# KiCad board 0xaxe.kicad_pcb (continued)
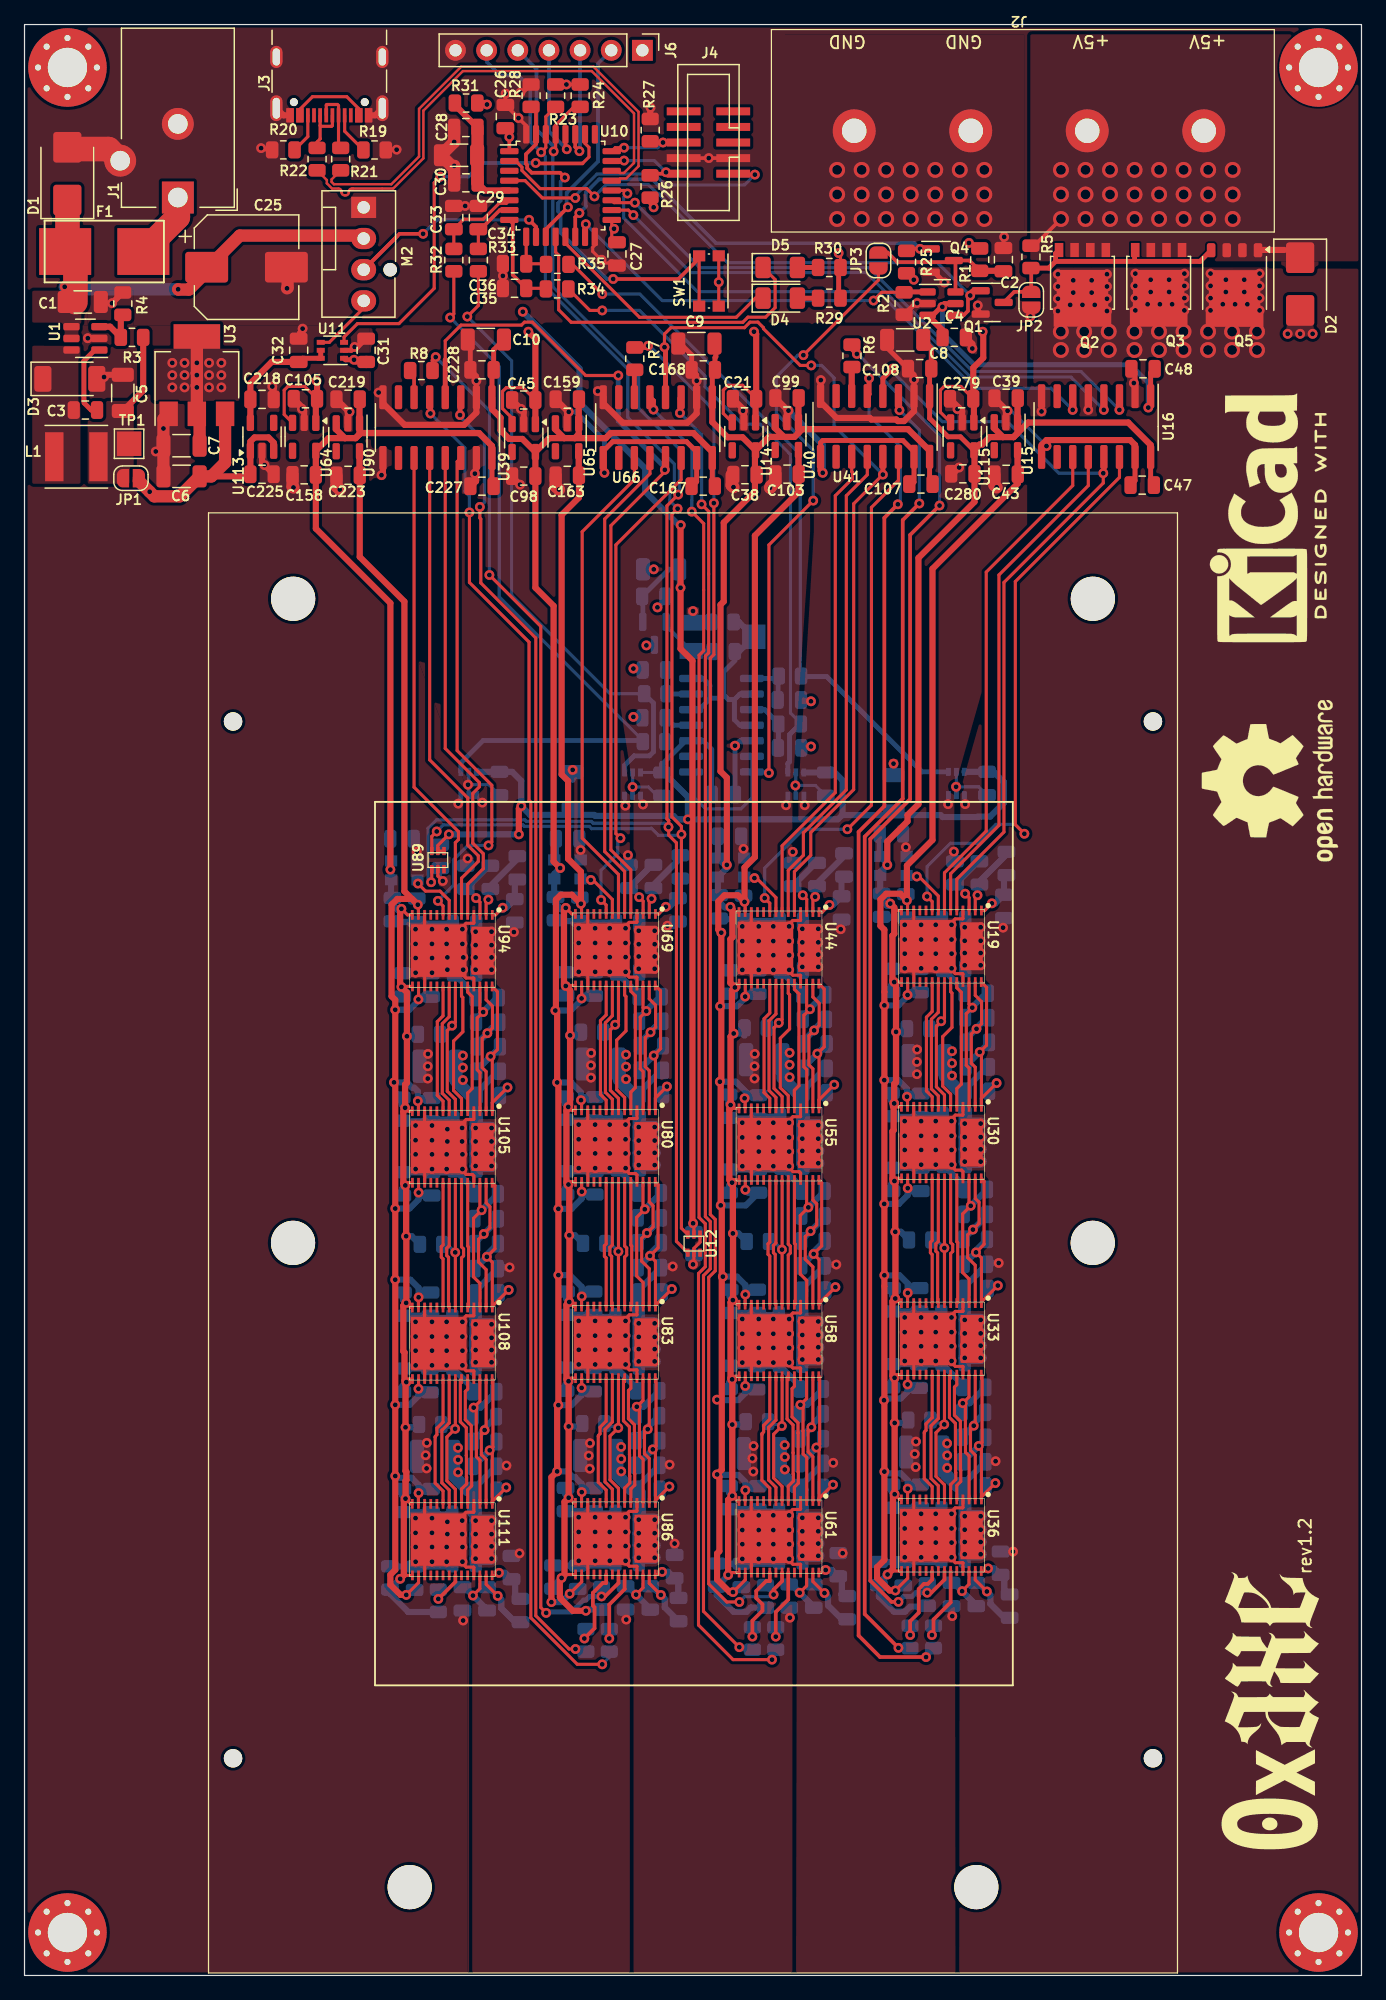
[diagram p0: board, top side]
## Routing (per net, layer and track width the routed paths; a pad name or vN(x,y) marks a point on that pad's centre or on a via; arc(x,y) is an arc through that point) (continued)
/stm32/LED2: length 19.9
  Top w0.254: U10.13 44.1,141.18 50.14,135.14 58.03,135.14 59.59,136.7 D4.1
  Top w0.4: 60.06,136.7 60.13,136.63
/stm32/NRST: length 24
  Top w0.254: v1(59.55,146.77) 57.85,146.77 J4.1 ; U10.4 40.81,146.28 42.22,144.86 v1(44.9,144.86)
  Bottom w0.254: v1(44.9,144.86) 44.9,145.05 46.67,146.82 51.34,146.82 52.23,145.93 58.71,145.93 v1(59.55,146.77)
/stm32/PWM_3V3: length 33.5
  Top w0.254: 45.49,147.68 46.02,148.21 46.02,148.99 45.7,149.3 U10.26 ; v1(33.9,146.6) 33.4,146.1 33.4,137.5 30.53,134.62 27.14,134.62 26.05,133.53 U11.3
  Top w0.3: 45.49,147.68 41.72,147.68 v1(41.68,147.72)
  Bottom w0.254: v1(33.9,146.6) 36.19,146.6
  Bottom w0.3: v1(41.68,147.72) 37.31,147.72 36.19,146.6
/stm32/PWM_3V3_EXT: length 17.5
  Top w0.3: v1(44.3,144.11) 42.5,142.31 U10.11
  Bottom w0.3: J6.2 46.76,155.82 46.76,147.84 44.2,145.28 44.2,144.21 v1(44.3,144.11)
/stm32/SCL: length 135.7
  Top w0.254: U89.1 33.2,89.15 v1(33.15,89.1) ; v1(53.29,120.69) 52.38,119.78 52.38,94.26 52.52,94.12 ; 52.52,94.12 52.52,92.94 53.15,92.31 53.15,59.83 U12.1 ; 52.52,94.12 52.5,94.1 v1(52.5,93.6) ; v1(43.14,148.66) 43.3,148.82 U10.29 43.3,150.8 44.79,152.29 R24.2
  Bottom w0.254: v1(33.15,89.1) 32.9,89.35 32.9,93.49 33.59,94.18 40.79,94.18 40.92,94.06 46.22,94.06 46.37,93.91 52.19,93.91 v1(52.5,93.6) ; v1(53.29,120.69) 53.39,120.79 53.39,124.41 50.07,127.72 50.07,130.63 43.07,137.63 43.07,148.59 v1(43.14,148.66)
  Bottom w0.3: J6.5 41.74,155.38 41.74,150.46 43.14,149.06 v1(43.14,148.66)
/stm32/SDA: length 131.4
  Top w0.254: v1(42.12,148.59) 42.5,148.97 U10.30 42.5,151.49 R23.2 ; v1(53.24,119.54) 52.78,119.08 52.78,94.43 53.56,93.65 v1(53.56,93) 53.56,60.9 U12.6 ; v1(33.61,93.24) 33.2,92.83 U89.6
  Bottom w0.254: v1(53.56,93) 53.48,92.92 51.68,92.92 51.1,93.5 51.06,93.46 46.24,93.46 46.05,93.65 40.75,93.65 40.62,93.78 34.15,93.78 v1(33.61,93.24) ; v1(53.24,119.54) 52.61,120.18 52.61,121.12 52.98,121.49 52.98,123.18 49.19,126.97 49.19,130.91 42.46,137.64 42.46,148.25 v1(42.12,148.59)
  Bottom w0.3: J6.6 37.71,156.86 37.71,155.93 38.79,154.85 40.26,154.85 41.23,153.88 41.23,149.48 v1(42.12,148.59)
/stm32/SPARE1: length 9.8
  Top w0.3: v1(45.24,148.68) 44.9,149.02 U10.27
  Bottom w0.3: v1(45.24,148.68) 45.3,148.73 J6.3
/stm32/SPARE2: length 9.9
  Top w0.3: U10.28 44.1,148.95 v1(44.21,148.84)
  Bottom w0.3: J6.4 42.75,150.29 v1(44.21,148.84)
/stm32/SWCLK: length 7.2
  Top w0.254: v1(48.88,148.96) 48.16,148.96 U10.24
  Top w0.3: J4.6 51.11,149.38 R27.2
  Bottom w0.254: v1(52.05,149.38) 51.63,148.96 v1(48.88,148.96)
/stm32/SWDIO: length 7.6
  Top w0.254: U10.23 48.84,147.88 v1(48.88,147.91)
  Top w0.3: R26.1 51.13,146.84 J4.2
  Bottom w0.254: v1(48.88,147.91) 51.35,147.91 v1(52.3,146.96)
/stm32/TACHO: length 20.9
  Top w0.254: 32.34,142.09 v1(32.5,141.94)
  Top w0.3: v1(32.5,141.94) 30.57,141.94 M2.3 30.38,141.75 ; U10.10 41.7,142.52 v1(41.13,143.09)
  Bottom w0.254: v1(41.13,143.09) 33.64,143.09 v1(32.5,141.94)
/stm32/USB_D+: length 41.2
  Top w0.2: U10.22 48.38,147.08 48.55,146.9 48.87,146.9 49.69,147.72 49.69,151.76 46.24,155.21 35.74,155.21 32.52,151.98 32.52,148.1 30.05,145.63 26.68,145.63 arc(26.51,145.56) 26.44,145.39 26.44,145.32 arc(26.37,145.15) 26.2,145.08 26.08,145.08 arc(25.91,145.15) 25.84,145.32 25.84,145.39 arc(25.77,145.56) 25.6,145.63 25.07,145.63 24.65,146.06 24.65,146.32 R22.1
/stm32/USB_D-: length 41.2
  Top w0.2: R21.1 25.04,146.38 25.04,146.17 25.23,145.98 29.9,145.98 32.16,148.24 32.16,152.13 35.59,155.56 46.39,155.56 50.06,151.89 50.06,147.47 50.07,147.46 49.06,146.45 48.55,146.45 48.38,146.28 U10.21
/stm32/X: length 6.7
  Top w0.254: J3.A4 27.25,152.14 26.27,153.12 23.48,153.12 22.45,152.09 J3.A9
Net-(D4-A): length 1.7
  Top w0.4: 64.55,136.7 62.86,136.7
Net-(D5-A): length 1.7
  Top w0.4: 64.55,139.2 62.86,139.2
Net-(F1-Pad2): length 5.6
  Top w2: J1.1 12.5,143.31 F1.2
Net-(J3-CC1): length 3.5
  Top w0.254: R19.2 26.1,150.31 J3.A5
Net-(J3-CC2): length 3.3
  Top w0.254: J3.B5 23.1,151.6 23.1,149.87 R20.2
Net-(J3-D+-PadA6): length 4.7
  Top w0.254: J3.A6 25.1,150.77 25.03,150.71 24.17,150.71 24.1,150.77 ; 24.1,150.77 24.1,149.7 24.11,149.69 23.85,149.43 R22.2 ; 24.1,150.77 J3.B6
Net-(J3-D--PadA7): length 5.4
  Top w0.254: R21.2 25.6,149.12 J3.B7 25.6,152.39 25.51,152.48 24.65,152.48 24.6,152.43 J3.A7
Net-(JP1-A): length 6.7
  Top w0.5: R3.1 9.67,129.17 C5.1
Net-(JP2-B): length 22.2
  Top w0.3: R5.1 82.08,139.13 JP2.2 80.69,137.21 Q1.3
  Top w0.4: 84.06,139.7 84.06,140.34 Q2.4 ; 84.06,139.7 83.51,139.15 R5.1 ; 84.06,139.7 90.5,139.7 ; 90.5,139.7 90.5,140.57 Q3.4 90.55,140.26 ; 90.5,139.7 95.83,139.7 Q5.4
Net-(JP3-A): length 61.3
  Top w0.254: v1(63.5,132.05) 69.62,138.18 JP3.1 ; v1(60.69,98) 60.69,116.59 v1(64.3,120.2)
  Bottom w0.254: v1(63.5,132.05) 63.05,132.05 61.3,130.3 61.3,127.3 64.3,124.3 v1(64.3,120.2) ; 59.3,98.09 59.3,99.36 ; 59.3,98.09 60.6,98.09 v1(60.69,98) ; 59.3,98.09 59.3,95.97 58.41,95.08 55.53,95.08 54.65,95.97 54.65,97.79 U9.1 U9.2
Net-(M2-PWM): length 5.2
  Top w0.254: U11.4 24.85,133.1 27.65,135.9 M2.4
Net-(Q4-G): length 36.1
  Top w0.3: Q4.1 v1(73.01,140.72) 72.07,140.72 R25.1 ; v1(45.24,143.64) 44.9,143.3 U10.14
  Bottom w0.3: v1(73.01,140.72) 72.54,141.18 56.37,141.18 51.16,146.39 46.85,146.39 45.76,145.31 45.76,144.16 v1(45.24,143.64)
Net-(U1-BS): length 6.4
  Top w0.4: U1.1 5.73,132.47 4.84,131.58 4.84,128.33 4.87,128.31 4.87,128.15 5.43,127.58 C3.1
Net-(U1-FB): length 4
  Top w0.5: R4.1 7.85,135.18 R3.2 6.98,134.38 U1.3
Net-(U9A-+): length 20
  Bottom w0.4: 57.87,103.99 57.87,102.35 58.32,101.9 59.3,101.9 ; 57.87,103.99 58.32,104.44 59.3,104.44 ; 57.87,103.99 57.38,103.99 57.01,104.36 ; 55.87,104.1 55.87,105.16 55.32,105.71 U9.7 ; 55.87,104.1 55.87,104.05 54.99,103.17 U9.5 ; 55.87,104.1 56.75,104.1 57.01,104.36 ; 57.01,104.36 57.01,106.26 57.91,107.16 R60.2
  Bottom w0.5: R61.1 58.25,110.3 RV1.2 58.25,107.9 R60.2
Net-(U9A--): length 4.3
  Bottom w0.4: U9.4 52.9,101.9 52.24,102.55 52.24,100.65
Net-(U9B--): length 3.9
  Bottom w0.4: 52.34,106.36 R17.2 52.36,104.44 U9.6
Net-(U9C--): length 4.5
  Bottom w0.4: 61.46,100.14 61.46,102.05 60.34,103.17 59.3,103.17
Net-(U9D--): length 4.1
  Bottom w0.4: 59.3,105.71 61.27,105.71 61.42,105.86 61.44,105.83 61.44,103.95
Net-(U10-BOOT0): length 31.4
  Top w0.254: 55,139.95 55,135.85
  Top w0.3: 55,139.95 53.31,138.26 v1(47.99,138.26) ; R28.2 41.7,151.89 U10.31 41.7,149.25 40.88,148.43 40.88,147.66 40.98,147.55 40.98,147.28 41.35,146.92 43.66,146.92 v1(44.05,146.53)
  Bottom w0.3: v1(44.05,146.53) 43.71,146.19 43.71,144.65 43.5,144.44 43.5,143.78 43.71,143.57 43.71,142.03 47.48,138.26 v1(47.99,138.26)
Net-(U10-PA0): length 7.1
  Top w0.254: R32.1 C33.1 35.82,143.14 37.4,143.14 38.69,144.43 39.28,144.43 U10.6
Net-(U10-PA1): length 4.8
  Top w0.254: C34.1 R33.1
  Top w0.3: U10.7 38.75,143.88 37.19,142.32 C34.1
Net-(U10-PA2): length 7.8
  Top w0.254: C35.1 42.46,137.5 R34.1
  Top w0.3: U10.8 39.8,142.8 39.8,138.6 C35.1
Net-(U10-PA3): length 3.8
  Top w0.254: R35.1 42.47,139.5 C36.1 U10.9
Net-(U19-BO): length 10.8
  Top w0.254: U30.6 75.5,71.84 74.86,72.48 74.86,76.51 75.61,77.27 75.61,80.07 75.5,80.18 U19.23
Net-(U19-CLKO): length 10.6
  Top w0.254: U30.8 74.5,71.69 73.94,72.25 73.94,77.93 74.5,78.5 U19.21
Net-(U19-CO): length 10.6
  Top w0.254: U19.20 74,78.57 73.53,78.1 73.53,72.09 74,71.62 U30.9
Net-(U19-NRSTO): length 10.5
  Top w0.254: 76.01,80.96 76.01,80.5 76.38,80.13 76.38,72.64 76.01,72.27 76.01,70.8
Net-(U19-RI): length 12.2
  Top w0.254: U19.22 75,78.04 v1(74.73,77.77) 74.34,77.38 74.34,72.42 75,71.76 U30.7
  Bottom w0.254: 73.76,76.73 74.73,77.7 v1(74.73,77.77)
Net-(U19-VDD1_0): length 4.1
  Top w0.254: U19.1 78.28,86.8 v1(78.87,87.38)
  Bottom w0.508: v1(78.87,87.38) 79.15,87.38 C46.1 79.85,89.48 C44.2
Net-(U19-VDD1_1): length 16.9
  Top w0.254: U19.28 78.43,80.53 78.43,75.82 v1(77.88,75.26) 78.02,75.12 U30.1 78.02,71.49 v1(79.25,72.73)
  Bottom w0.254: 78.51,72.07 79.17,72.73 v1(79.25,72.73)
  Bottom w0.508: 76.6,74.05 76.67,74.05 v1(77.88,75.26) 78.5,75.88 78.5,76.05
Net-(U19-VDD2_0): length 4.9
  Top w0.254: v1(77.7,88.04) 77.51,87.85 U19.2
  Bottom w0.508: C44.1 80.05,91.35 77.85,89.15 C42.2
Net-(U19-VDD2_1): length 13.6
  Top w0.254: U30.2 77.51,74.02 77.19,74.35 77.19,76.73 v1(77.61,77.15) 78.03,77.57 78.03,79.36 77.51,79.88 U19.27
  Bottom w0.508: 78.45,78.05 77.61,77.22 v1(77.61,77.15) 76.6,76.14 76.6,76.05
Net-(U19-VDD3_0): length 4.3
  Top w0.254: v1(76.69,88.17) 77.01,87.84 U19.3
  Bottom w0.508: C42.1 77.75,90.8 C41.2
Net-(U19-VDD3_1): length 16.1
  Top w0.254: U19.26 77,79.15 v1(77.27,78.88) 76.78,78.39 76.78,74.18 77.01,73.95 U30.3
  Bottom w0.254: 76.55,78.05 76.55,78.2 78.4,80.05
  Bottom w0.508: 78.4,80.05 77.27,78.92 v1(77.27,78.88) 76.55,78.16 76.55,78.05
Net-(U30-BO): length 10.3
  Top w0.254: U33.6 75.5,58.84 75.67,59.01 75.67,59.57 75.5,59.74 U30.23
Net-(U30-CLKO): length 10.3
  Top w0.254: U30.21 74.5,59.83 74.3,59.62 74.3,59.03 74.45,58.89 74.45,54.85 U33.8
Net-(U30-CO): length 10.3
  Top w0.254: U33.9 74,58.76 73.86,58.9 73.86,59.75 74,59.9 U30.20
Net-(U30-NRSTO): length 10.2
  Top w0.254: 76.01,54.8 76.08,54.87 76.08,59.73 76.01,59.8 76.01,64.96
Net-(U30-RI): length 11.5
  Top w0.254: U33.7 U30.22
  Bottom w0.254: R39.1 74.34,59.95 v1(74.99,59.29)
Net-(U30-VDD1_1): length 19.3
  Top w0.254: v1(79.35,56.23) 78.02,54.89 U33.1 78.02,58.49 v1(77.57,58.93) 78.23,59.59 78.23,64.74 U30.28
  Bottom w0.254: v1(79.35,56.23) 78.78,56.23 C88.1 ; C77.2 76.57,58.1 78.47,60
  Bottom w0.508: C77.2 76.61,57.97 v1(77.57,58.93) 77.57,59.1 78.47,60
Net-(U30-VDD2_1): length 16.6
  Top w0.254: U33.2 77.51,57.88 76.89,58.5 76.89,60.36 v1(77.32,60.79) 77.82,61.29 77.82,63.02 77.51,63.33 U30.27
  Bottom w0.254: 78.47,62.03 78.47,61.9 C81.2
  Bottom w0.508: 78.47,62.03 78.47,61.94 v1(77.32,60.79) 76.57,60.04 C81.2
Net-(U30-VDD3_1): length 17.2
  Top w0.254: U30.26 77,62.87 v1(77.14,62.73) 76.49,62.07 76.49,57.29 77.01,56.76 U33.3
  Bottom w0.254: C84.2 76.57,62.16 ; 76.57,62.16 78.47,64.06 ; 76.57,62.16 77.13,62.73 v1(77.14,62.73)
  Bottom w0.508: C84.2 76.57,62.15 v1(77.14,62.73) 78.47,64.05 78.47,64.06
Net-(U33-BO): length 10.6
  Top w0.254: U36.6 75.5,40 75.92,40.42 75.92,40.99 75.9,41.01 75.9,42.73 75.9,42.73 75.9,45 75.41,45.48 75.41,48.87 U33.23
Net-(U33-CLKO): length 10.7
  Top w0.254: U33.21 74.5,45.39 73.9,44.79 73.9,40.51 74.5,39.91 U36.8
Net-(U33-CO): length 10.7
  Top w0.254: U36.9 74,39.84 73.35,40.48 73.35,44.21 73.37,44.22 73.37,44.3 73.5,44.43 73.5,44.96 74,45.46 U33.20
Net-(U33-NRSTO): length 10.6
  Top w0.254: 76.01,48.96 76.01,48.15 75.82,47.96 75.82,45.65 76.3,45.17 76.3,44.36 76.31,44.35 76.31,41.18 76.33,41.15 76.33,40.25 76.01,39.93 76.01,38.8
Net-(U33-RI): length 12
  Top w0.254: 75,44.81 U33.22 ; U36.7 75,39.98 74.31,40.68 74.31,44.24 v1(74.98,44.91)
  Bottom w0.254: v1(74.98,44.91) 74.87,45.03 73.86,45.03
Net-(U33-VDD1_1): length 15.9
  Top w0.254: U33.28 78.07,48.9 78.07,43.42 v1(77.8,43.16) 78.02,42.94 U36.1 78.02,38.99 v1(79.15,40.13)
  Bottom w0.254: v1(79.15,40.13) 78.54,40.13 78.34,39.93
  Bottom w0.508: C90.1 78.34,43.7 v1(77.8,43.16) 76.5,41.86 C89.2
Net-(U33-VDD2_1): length 13.3
  Top w0.254: U33.27 77.51,44.93 v1(77.39,44.81) 77.12,44.54 77.12,42.8 77.51,42.41 U36.2
  Bottom w0.508: C91.1 77.39,44.97 v1(77.39,44.81) 77.38,44.81 C90.2
Net-(U33-VDD3_1): length 13.7
  Top w0.254: U36.3 77.01,42.34 76.72,42.63 76.72,44.52 76.71,44.52 76.71,46.42 v1(76.5,46.64) 77,47.14 U33.26
  Bottom w0.254: C91.2 76.42,46.56 v1(76.5,46.64)
  Bottom w0.508: C92.1 77.05,46.64 v1(76.5,46.64)
Net-(U36-VDD1_1): length 3.6
  Top w0.254: U36.28 78.35,32.96 v1(78.56,33.17)
  Bottom w0.508: v1(78.56,33.17) 79.06,33.17 C94.2 79.88,32.35 79.88,31.05
Net-(U36-VDD2_1): length 6
  Top w0.254: U36.27 77.51,32.24 v1(78.46,31.3)
  Bottom w0.254: v1(78.46,31.3) 78.3,31.3 C96.1
  Bottom w0.508: v1(78.46,31.3) 78.75,31.01 78.75,30.28 79.88,29.15
Net-(U36-VDD3_1): length 4.7
  Top w0.254: U36.26 77,31.88 v1(76.44,31.32)
  Bottom w0.508: C97.1 75.76,32 v1(76.44,31.32) 77.59,30.17 C96.2
Net-(U44-BI): length 10.8
  Top w0.254: U44.23 62.27,80.05 62.38,79.94 62.38,77.14 61.62,76.38 61.62,72.35 62.27,71.71 U55.6
Net-(U44-CI): length 10.6
  Top w0.254: U44.20 60.76,78.44 60.29,77.97 60.29,71.96 60.76,71.49 U55.9
Net-(U44-CLKI): length 10.6
  Top w0.254: U44.21 61.26,78.37 60.7,77.8 60.7,72.12 61.26,71.56 U55.8
Net-(U44-NRSTI): length 10.5
  Top w0.254: U55.5 62.77,72.14 63.14,72.51 63.14,80 62.77,80.37 U44.24
Net-(U44-RO): length 12.2
  Top w0.254: U55.7 61.76,71.63 61.11,72.29 61.11,77.25 v1(61.5,77.64) 61.76,77.91 U44.22
  Bottom w0.254: v1(61.5,77.64) 61.5,77.57 60.53,76.6
Net-(U44-VDD1_0): length 4.1
  Top w0.254: v1(65.63,87.25) 65.04,86.67 U44.1
  Bottom w0.508: C104.2 66.61,89.35 C106.1 65.91,87.25 v1(65.63,87.25)
Net-(U44-VDD1_1): length 16.9
  Top w0.254: U44.28 65.19,80.4 65.19,75.69 v1(64.64,75.13) 64.78,74.99 U55.1 64.78,71.36 v1(66.01,72.6)
  Bottom w0.254: 65.27,71.94 65.93,72.6 v1(66.01,72.6)
  Bottom w0.508: 65.26,75.93 65.26,75.76 v1(64.64,75.13) 63.43,73.93 63.36,73.93
Net-(U44-VDD2_0): length 4.9
  Top w0.254: v1(64.46,87.91) 64.27,87.73 U44.2
  Bottom w0.508: C104.1 66.81,91.22 64.61,89.02 C102.2
Net-(U44-VDD2_1): length 13.6
  Top w0.254: U44.27 64.27,79.75 64.79,79.23 64.79,77.44 v1(64.37,77.02) 63.95,76.6 63.95,74.22 64.27,73.89 U55.2
  Bottom w0.508: 63.36,75.93 63.36,76.01 v1(64.37,77.02) 64.37,77.09 65.21,77.93
Net-(U44-VDD3_0): length 4.3
  Top w0.254: v1(63.45,88.04) 63.77,87.71 U44.3
  Bottom w0.508: C102.1 64.51,90.68 C101.2
Net-(U44-VDD3_1): length 16.1
  Top w0.254: U44.26 63.76,79.02 v1(64.03,78.75) 63.54,78.26 63.54,74.05 63.77,73.82 U55.3
  Bottom w0.254: 65.16,79.93 63.31,78.08 63.31,77.93
  Bottom w0.508: 63.31,77.93 63.31,78.03 v1(64.03,78.75) 64.03,78.8 65.16,79.93
Net-(U55-BO): length 10.3
  Top w0.254: U58.6 62.27,58.71 62.43,58.88 62.43,59.44 62.27,59.61 U55.23
Net-(U55-CLKO): length 10.3
  Top w0.254: U58.8 61.21,54.72 61.21,58.76 61.06,58.9 61.06,59.49 61.26,59.7 U55.21
Net-(U55-CO): length 10.3
  Top w0.254: U58.9 60.76,58.63 60.62,58.77 60.62,59.63 60.76,59.77 U55.20
Net-(U55-NRSTO): length 10.2
  Top w0.254: U55.24 62.77,59.67 62.84,59.6 62.84,54.74 U58.5
Net-(U55-RI): length 11.5
  Top w0.254: U58.7 U55.22
  Bottom w0.254: v1(61.75,59.16) 61.1,59.82 R45.1
Net-(U55-VDD1_1): length 19.3
  Top w0.254: U55.28 64.99,64.61 64.99,59.46 v1(64.33,58.8) 64.78,58.36 U58.1 64.78,54.76 v1(66.11,56.1)
  Bottom w0.254: C137.2 63.33,57.97 C141.1 ; C148.1 65.54,56.1 v1(66.11,56.1)
  Bottom w0.508: C137.2 63.37,57.84 v1(64.33,58.8) 64.33,58.97 C141.1
Net-(U55-VDD2_1): length 16.6
  Top w0.254: U55.27 64.27,63.2 64.58,62.89 64.58,61.16 v1(64.08,60.66) 63.65,60.23 63.65,58.37 64.27,57.75 U58.2
  Bottom w0.254: C144.1 65.23,61.77 C141.2
  Bottom w0.508: C141.2 63.33,59.91 v1(64.08,60.66) 65.23,61.81 C144.1
Net-(U55-VDD3_1): length 17.2
  Top w0.254: U55.26 63.76,62.74 v1(63.9,62.6) 63.25,61.94 63.25,57.16 63.77,56.63 U58.3
  Bottom w0.254: 63.33,62.03 C147.1 ; 63.33,62.03 C144.2 ; 63.33,62.03 63.89,62.6 v1(63.9,62.6)
  Bottom w0.508: C147.1 65.23,63.92 v1(63.9,62.6) 63.33,62.02 C144.2
Net-(U58-BO): length 10.6
  Top w0.254: U58.23 62.17,48.74 62.17,45.35 62.66,44.87 62.66,42.6 62.66,42.6 62.66,40.88 62.68,40.86 62.68,40.29 62.27,39.88 U61.6
Net-(U58-CLKO): length 10.7
  Top w0.254: U58.21 61.26,45.26 60.67,44.66 60.67,40.38 61.26,39.78 U61.8
Net-(U58-CO): length 10.7
  Top w0.254: U58.20 60.76,45.33 60.26,44.83 60.26,44.3 60.13,44.17 60.13,44.1 60.12,44.08 60.12,40.35 60.76,39.71 U61.9
Net-(U58-NRSTO): length 10.6
  Top w0.254: U61.5 62.77,39.8 63.09,40.13 63.09,41.03 63.07,41.05 63.07,44.22 63.06,44.23 63.06,45.04 62.58,45.52 62.58,47.83 62.77,48.02 U58.24
Net-(U58-RI): length 12
  Top w0.254: v1(61.75,44.78) 61.07,44.11 61.07,40.55 61.76,39.86 U61.7 ; 61.76,44.68 U58.22
  Bottom w0.254: v1(61.75,44.78) 61.63,44.9 60.63,44.9
Net-(U58-VDD1_1): length 15.9
  Top w0.254: U58.28 64.83,48.77 64.83,43.29 v1(64.56,43.03) 64.78,42.81 U61.1 64.78,38.86 v1(65.91,40)
  Bottom w0.254: 65.1,39.8 65.3,40 v1(65.91,40)
  Bottom w0.508: C150.1 65.1,43.57 v1(64.56,43.03) 63.27,41.73 C149.2
Net-(U58-VDD2_1): length 13.3
  Top w0.254: U58.27 64.27,44.8 v1(64.15,44.68) 63.88,44.41 63.88,42.67 64.27,42.28 U61.2
  Bottom w0.508: C151.1 64.15,44.84 v1(64.15,44.68) 64.14,44.68 C150.2
Net-(U58-VDD3_1): length 13.7
  Top w0.254: U61.3 63.77,42.21 63.48,42.5 63.48,44.39 63.47,44.39 63.47,46.29 v1(63.26,46.51) 63.76,47.01 U58.26
  Bottom w0.254: C151.2 63.18,46.43 v1(63.26,46.51)
  Bottom w0.508: C152.1 63.81,46.51 v1(63.26,46.51)
Net-(U61-VDD1_1): length 3.6
  Top w0.254: v1(65.32,33.05) 65.11,32.83 U61.28
  Bottom w0.508: v1(65.32,33.05) 65.82,33.05 C154.2 66.64,32.22 66.64,30.92
Net-(U61-VDD2_1): length 6
  Top w0.254: U61.27 64.27,32.11 v1(65.22,31.17)
  Bottom w0.254: v1(65.22,31.17) 65.06,31.17 C156.1
  Bottom w0.508: 66.64,29.02 65.51,30.15 65.51,30.88 v1(65.22,31.17)
Net-(U61-VDD3_1): length 4.7
  Top w0.254: U61.26 63.76,31.76 v1(63.2,31.19)
  Bottom w0.508: C156.2 64.35,30.04 v1(63.2,31.19) 62.52,31.87 C157.1
Net-(U69-BO): length 10.8
  Top w0.254: U69.23 48.93,79.89 49.04,79.78 49.04,76.99 48.28,76.23 48.28,72.2 48.93,71.55 U80.6
Net-(U69-CLKO): length 10.6
  Top w0.254: U69.21 47.92,78.21 47.36,77.65 47.36,71.97 47.92,71.41 U80.8
Net-(U69-CO): length 10.6
  Top w0.254: U80.9 47.42,71.33 46.95,71.8 46.95,77.82 47.42,78.28 U69.20
Net-(U69-NRSTO): length 10.5
  Top w0.254: U80.5 49.43,71.99 49.8,72.36 49.8,79.85 49.43,80.21 U69.24
Net-(U69-RI): length 12.2
  Top w0.254: 48.42,80.68 48.42,77.75 v1(48.16,77.48) 47.77,77.09 47.77,72.14 48.42,71.48 48.42,70.51
  Bottom w0.254: v1(48.16,77.48) 48.16,77.42 47.19,76.45
Net-(U69-VDD1_0): length 4.1
  Top w0.254: v1(52.29,87.1) 51.7,86.51 51.44,86.51
  Bottom w0.508: C164.2 53.27,89.2 C166.1 52.57,87.1 v1(52.29,87.1)
Net-(U69-VDD1_1): length 16.6
  Top w0.254: v1(52.37,72.45) 51.44,71.51 51.44,70.51 51.44,74.84 v1(51.3,74.98) 51.86,75.53 51.86,80.25 U69.28
  Bottom w0.254: v1(52.37,72.45) 52.37,72.22 51.93,71.79
  Bottom w0.508: 50.02,73.77 50.09,73.77 v1(51.3,74.98) 51.92,75.6 51.92,75.77
Net-(U69-VDD2_0): length 4.9
  Top w0.254: v1(51.12,87.76) 50.94,87.57 U69.2
  Bottom w0.508: C162.2 51.27,88.87 53.47,91.07 C164.1
Net-(U69-VDD2_1): length 13.6
  Top w0.254: U69.27 50.94,79.59 51.45,79.08 51.45,77.28 v1(51.04,76.87) 50.61,76.44 50.61,74.06 50.94,73.74 U80.2
  Bottom w0.508: 51.87,77.77 51.04,76.93 v1(51.04,76.87) 50.02,75.86 50.02,75.77
Net-(U69-VDD3_0): length 4.3
  Top w0.254: U69.3 50.43,87.56 v1(50.11,87.88)
  Bottom w0.508: C162.1 51.17,90.52 C161.2
Net-(U69-VDD3_1): length 16.1
  Top w0.254: U80.3 50.43,73.67 50.2,73.89 50.2,78.1 v1(50.69,78.59) 50.42,78.86 U69.26
  Bottom w0.254: 51.82,79.77 49.97,77.92 49.97,77.77
  Bottom w0.508: 49.97,77.77 49.97,77.87 v1(50.69,78.59) 50.69,78.64 51.82,79.77
Net-(U80-BO): length 10.3
  Top w0.254: U83.6 48.93,58.56 49.1,58.72 49.1,59.29 48.93,59.45 U80.23
Net-(U80-CLKO): length 10.3
  Top w0.254: U83.8 47.87,54.57 47.87,58.6 47.72,58.75 47.72,59.34 47.92,59.54 U80.21
Net-(U80-CO): length 10.3
  Top w0.254: U83.9 47.42,58.48 47.28,58.62 47.28,59.47 47.42,59.61 U80.20
Net-(U80-NRSTO): length 10.2
  Top w0.254: U80.24 49.43,59.52 49.5,59.45 49.5,54.58 U83.5
Net-(U80-RI): length 11.5
  Top w0.254: 48.42,54.51 48.42,64.68
  Bottom w0.254: v1(48.42,59) 47.76,59.66 R51.1
Net-(U80-VDD1_1): length 19.3
  Top w0.254: v1(52.77,55.95) 51.44,54.61 51.44,54.51 51.44,58.2 v1(50.99,58.65) 51.65,59.3 51.65,64.45 U80.28
  Bottom w0.254: C197.2 49.99,57.81 C201.1 ; 51.96,55.7 52.2,55.95 v1(52.77,55.95)
  Bottom w0.508: C201.1 50.99,58.82 v1(50.99,58.65) 50.03,57.68 C197.2
Net-(U80-VDD2_1): length 16.6
  Top w0.254: U80.27 50.94,63.04 51.24,62.73 51.24,61.01 v1(50.74,60.51) 50.31,60.08 50.31,58.22 50.94,57.6 U83.2
  Bottom w0.254: C201.2 51.89,61.61 C204.1
  Bottom w0.508: C204.1 51.89,61.65 v1(50.74,60.51) 49.99,59.75 C201.2
Net-(U80-VDD3_1): length 17.2
  Top w0.254: U80.26 50.42,62.58 v1(50.57,62.44) 49.91,61.79 49.91,57 50.43,56.48 U83.3
  Bottom w0.254: v1(50.57,62.44) 50.56,62.44 49.99,61.88 ; 49.99,61.88 C207.1 ; 49.99,61.88 C204.2
  Bottom w0.508: C207.1 51.89,63.77 v1(50.57,62.44) 49.99,61.87 C204.2
Net-(U83-BO): length 10.6
  Top w0.254: U83.23 48.83,48.58 48.83,45.2 49.32,44.71 49.32,42.45 49.32,42.44 49.32,40.72 49.35,40.7 49.35,40.14 48.93,39.72 U86.6
Net-(U83-CLKO): length 10.7
  Top w0.254: U83.21 47.92,45.11 47.33,44.51 47.33,40.23 47.92,39.63 U86.8
Net-(U83-CO): length 10.7
  Top w0.254: U86.9 47.42,39.56 46.78,40.2 46.78,43.93 46.79,43.94 46.79,44.01 46.92,44.14 46.92,44.68 47.42,45.18 U83.20
Net-(U83-NRSTO): length 10.6
  Top w0.254: U86.5 49.43,39.65 49.75,39.97 49.75,40.87 49.73,40.89 49.73,44.06 49.72,44.07 49.72,44.88 49.24,45.37 49.24,47.67 49.43,47.86 U83.24
Net-(U83-RI): length 12
  Top w0.254: v1(48.41,44.63) 47.73,43.95 47.73,40.39 48.42,39.7 48.42,38.51 ; 48.42,44.52 48.42,48.68
  Bottom w0.254: v1(48.41,44.63) 48.29,44.75 47.29,44.75
Net-(U83-VDD1_1): length 15.9
  Top w0.254: U83.28 51.49,48.62 51.49,43.14 v1(51.22,42.87) 51.44,42.66 51.44,38.51 51.44,38.71 v1(52.57,39.85)
  Bottom w0.254: v1(52.57,39.85) 51.96,39.85 51.76,39.65
  Bottom w0.508: C210.1 51.76,43.42 v1(51.22,42.87) 49.93,41.58 C209.2
Net-(U83-VDD2_1): length 13.3
  Top w0.254: U86.2 50.94,42.13 50.54,42.52 50.54,44.26 v1(50.81,44.52) 50.94,44.65 U83.27
  Bottom w0.508: C211.1 50.81,44.68 v1(50.81,44.52) 50.8,44.52 C210.2
Net-(U83-VDD3_1): length 13.7
  Top w0.254: U86.3 50.43,42.06 50.14,42.35 50.14,44.23 50.13,44.24 50.13,46.14 v1(49.92,46.35) 50.42,46.86 U83.26
  Bottom w0.254: C211.2 49.84,46.28 v1(49.92,46.35)
  Bottom w0.508: C212.1 50.47,46.35 v1(49.92,46.35)
Net-(U86-VDD1_1): length 3.6
  Top w0.254: v1(51.98,32.89) 51.77,32.68 U86.28
  Bottom w0.508: v1(51.98,32.89) 52.48,32.89 C214.2 53.3,32.07 53.3,30.77
Net-(U86-VDD2_1): length 6
  Top w0.254: v1(51.88,31.01) 50.94,31.96 U86.27
  Bottom w0.254: C216.1 51.72,31.01 v1(51.88,31.01)
  Bottom w0.5: C215.2 52.2,29.99 52.2,30.7 v1(51.88,31.01)
Net-(U86-VDD3_1): length 4.7
  Top w0.254: U86.26 50.42,31.6 v1(49.86,31.04)
  Bottom w0.508: C217.1 49.18,31.72 v1(49.86,31.04) 51.01,29.89 C216.2
Net-(U94-VDD1_0): length 4.1
  Top w0.254: U94.1 38.4,86.44 v1(38.99,87.02)
  Bottom w0.508: C224.2 39.97,89.12 C226.1 39.27,87.02 v1(38.99,87.02)
Net-(U94-VDD2_0): length 4.9
  Top w0.254: v1(37.82,87.68) 37.64,87.5 37.64,86.44
  Bottom w0.508: C222.2 37.97,88.79 40.17,90.99 C224.1
Net-(U94-VDD3_0): length 4.3
  Top w0.254: U94.3 37.13,87.48 v1(36.81,87.81)
  Bottom w0.508: C222.1 37.87,90.45 C221.2
Net-(U105-BI): length 10.8
  Top w0.254: U105.6 35.63,71.48 34.98,72.12 34.98,76.15 35.74,76.91 35.74,79.71 35.63,79.82 U94.23
Net-(U105-BO): length 10.3
  Top w0.254: U105.23 35.63,59.38 35.8,59.21 35.8,58.65 35.63,58.48 U108.6
Net-(U105-CI): length 10.6
  Top w0.254: U105.9 34.12,71.26 33.65,71.73 33.65,77.74 34.12,78.21 U94.20
Net-(U105-CLKI): length 10.6
  Top w0.254: U94.21 34.62,78.14 34.06,77.57 34.06,71.9 34.62,71.33 34.62,70.44
Net-(U105-CLKO): length 10.3
  Top w0.254: U105.21 34.62,59.47 34.42,59.26 34.42,58.68 34.57,58.53 34.57,54.49 34.62,54.44
Net-(U105-CO): length 10.3
  Top w0.254: U105.20 34.12,59.54 33.98,59.4 33.98,58.54 34.12,58.4 U108.9
Net-(U105-NRSTI): length 10.5
  Top w0.254: U94.24 36.13,80.14 36.5,79.77 36.5,72.28 36.13,71.92 U105.5
Net-(U105-NRSTO): length 10.2
  Top w0.254: U105.24 36.13,59.44 36.2,59.37 36.2,54.51 U108.5
Net-(U105-RI): length 11.5
  Top w0.254: U108.7 U105.22
  Bottom w0.254: v1(35.12,58.93) 34.46,59.59 R57.1
Net-(U105-RO): length 12.2
  Top w0.254: U94.22 35.12,77.68 v1(34.86,77.41) 34.47,77.02 34.47,72.06 35.12,71.4 U105.7
  Bottom w0.254: v1(34.86,77.41) 34.86,77.34 33.89,76.37
Net-(U105-VDD1_0): length 16.9
  Top w0.254: v1(39.37,72.37) 38.14,71.13 U105.1 38.14,74.76 v1(38,74.9) 38.56,75.46 38.56,80.17 U94.28
  Bottom w0.254: v1(39.37,72.37) 39.29,72.37 38.63,71.71
  Bottom w0.508: 38.62,75.7 38.62,75.53 v1(38,74.9) 36.79,73.7 36.72,73.7
Net-(U105-VDD1_1): length 19.3
  Top w0.254: v1(39.47,55.87) 38.14,54.53 U108.1 38.14,58.13 v1(37.69,58.57) 38.35,59.23 38.35,64.38 U105.28
  Bottom w0.254: C257.2 36.69,57.74 C261.1 ; v1(39.47,55.87) 38.9,55.87 C268.1
  Bottom w0.508: C257.2 36.73,57.61 v1(37.69,58.57) 37.69,58.74 C261.1
Net-(U105-VDD2_0): length 13.6
  Top w0.254: 37.64,80.61 37.64,79.52 38.15,79 38.15,77.21 v1(37.74,76.79) 37.31,76.37 37.31,73.99 37.64,73.66 37.64,70.44
  Bottom w0.508: 36.72,75.7 36.72,75.78 v1(37.74,76.79) 37.74,76.86 38.57,77.7
Net-(U105-VDD2_1): length 16.6
  Top w0.254: 37.64,54.44 37.64,57.52 37.01,58.14 37.01,60 v1(37.44,60.43) 37.94,60.93 37.94,62.66 37.64,62.97 37.64,64.61
  Bottom w0.254: C261.2 38.59,61.54 C264.1
  Bottom w0.508: C264.1 38.59,61.58 v1(37.44,60.43) 36.69,59.68 C261.2
Net-(U105-VDD3_0): length 16.1
  Top w0.254: U105.3 37.13,73.59 36.9,73.82 36.9,78.03 v1(37.39,78.52) 37.12,78.79 U94.26
  Bottom w0.254: 36.67,77.7 36.67,77.85 38.52,79.7
  Bottom w0.508: 36.67,77.7 36.67,77.8 v1(37.39,78.52) 37.39,78.57 38.52,79.7
Net-(U105-VDD3_1): length 17.2
  Top w0.254: U108.3 37.13,56.4 36.61,56.93 36.61,61.71 v1(37.27,62.37) 37.12,62.51 U105.26
  Bottom w0.254: v1(37.27,62.37) 37.26,62.37 36.69,61.8 ; 36.69,61.8 C267.1 ; 36.69,61.8 C264.2
  Bottom w0.508: C267.1 38.59,63.69 v1(37.27,62.37) 36.69,61.79 C264.2
Net-(U108-BO): length 10.6
  Top w0.254: U111.6 35.63,39.65 36.05,40.07 36.05,40.63 36.02,40.65 36.02,42.37 36.02,42.37 36.02,44.64 35.53,45.13 35.53,48.51 U108.23
Net-(U108-CLKO): length 10.7
  Top w0.254: U108.21 34.62,45.03 34.03,44.43 34.03,40.15 34.62,39.55 34.62,38.44
Net-(U108-CO): length 10.7
  Top w0.254: U111.9 34.12,39.48 33.48,40.13 33.48,43.85 33.49,43.87 33.49,43.94 33.62,44.07 33.62,44.6 34.12,45.1 U108.20
Net-(U108-NRSTO): length 10.6
  Top w0.254: U111.5 36.13,39.57 36.45,39.9 36.45,40.8 36.43,40.82 36.43,43.99 36.42,44 36.42,44.81 35.94,45.29 35.94,47.6 36.13,47.79 U108.24
Net-(U108-RI): length 12
  Top w0.254: v1(35.11,44.55) 34.43,43.88 34.43,40.32 35.12,39.63 U111.7 ; 35.12,44.45 U108.22
  Bottom w0.254: 33.99,44.67 34.99,44.67 v1(35.11,44.55)
Net-(U108-VDD1_1): length 15.9
  Top w0.254: U108.28 38.19,48.54 38.19,43.07 v1(37.92,42.8) 38.14,42.59 U111.1 38.14,38.63 v1(39.27,39.77)
  Bottom w0.254: v1(39.27,39.77) 38.66,39.77 38.46,39.57
  Bottom w0.508: C270.1 38.46,43.34 v1(37.92,42.8) 36.63,41.5 C269.2
Net-(U108-VDD2_1): length 13.3
  Top w0.254: 37.64,38.44 37.64,42.05 37.24,42.44 37.24,44.18 v1(37.51,44.45) 37.64,44.57 37.64,48.61
  Bottom w0.508: C270.2 37.5,44.45 v1(37.51,44.45) 37.51,44.61 C271.1
Net-(U108-VDD3_1): length 13.7
  Top w0.254: U111.3 37.13,41.98 36.84,42.28 36.84,44.16 36.83,44.17 36.83,46.07 v1(36.62,46.28) 37.12,46.79 U108.26
  Bottom w0.254: C271.2 36.54,46.2 v1(36.62,46.28)
  Bottom w0.508: C272.1 37.17,46.28 v1(36.62,46.28)
Net-(U111-VDD1_1): length 3.6
  Top w0.254: v1(38.68,32.82) 38.47,32.61 U111.28
  Bottom w0.508: v1(38.68,32.82) 39.18,32.82 C274.2 40,31.99 40,30.69
Net-(U111-VDD2_1): length 6
  Top w0.254: v1(38.58,30.94) 37.64,31.88 37.64,32.61
  Bottom w0.254: C276.1 38.42,30.94 v1(38.58,30.94)
  Bottom w0.508: 40,28.79 38.87,29.92 38.87,30.65 v1(38.58,30.94)
Net-(U111-VDD3_1): length 4.7
  Top w0.254: U111.26 37.12,31.53 v1(36.56,30.96)
  Bottom w0.508: C276.2 37.71,29.81 v1(36.56,30.96) 35.88,31.64 C277.1

## Copper pours and planes (outline as drawn; the poured copper is in the pictures)
+3V3 on Top: 17.52,132.58 17.52,128.33 10.52,128.33 10.52,132.58
+3V3 on In2.Cu: 81.5,141.7 61.5,141.7 61.5,159.2 -0.5,159.2 -0.5,119.7 21,119.7 21,130.7 29.5,130.7 29.5,134.7 81.5,134.7
+5V_PWR on Top, Bottom: 82,139.2 101.5,139.2 101.5,131.7 82,131.7
+5V_PWR on Top, Bottom, In2.Cu: 76.3,96.6 82.25,117.7 82.25,139.2 109,139.1 109,0 76.2,0.2
+5V_PWR on In2.Cu: 75.1,75.76 76.8,75.76 76.8,72.86 75.1,72.86
+5V_PWR on In2.Cu: 74.7,43.76 76.4,43.76 76.4,40.86 74.7,40.86
+5V_PWR_EXT on Top: 102.45,142.35 105.5,142.35 105.5,138.41 102.45,138.41
+5V_PWR_EXT on Top, Bottom, In1.Cu, In2.Cu: 82,158.2 108.8,158.2 108.8,139.7 82,139.7
+12V on Top: 4.62,133.05 4.62,137.3 0.62,137.3 0.62,133.05
GND on Top: 102.48,137.1 105.52,137.1 105.52,133.16 102.48,133.16
GND on Top: 8.88,128.82 5.12,128.82 5.12,137.32 8.88,137.32
GND on Top, Bottom, In1.Cu: 0,159 109,159 109,0 0.1,0
GND on Top, Bottom, In1.Cu, In2.Cu: 62,158.2 81.5,158.2 81.5,142.2 62,142.2
GND on Top, Bottom, In1.Cu, In2.Cu: 36.1,0.2 36.1,96.6 28.1,117.7 28.1,134.5 0,134.45 0,0
V1_G0 on Top, Bottom, In2.Cu: 81.75,134.45 81.75,117.7 75.8,96.7 75.9,0.2 62.9,0.2 63.1,96.6 64.35,117.65 64.4,134.45
V1_G0 on In2.Cu: 61.76,75.63 63.46,75.63 63.46,72.73 61.76,72.73
V1_G0 on In2.Cu: 61.36,43.73 63.06,43.73 63.06,40.83 61.36,40.83
V2_G1 on Top, Bottom, In2.Cu: 64,134.45 64.05,117.65 62.6,96.54 62.6,0.04 49.65,0.04 49.65,96.54 46.4,117.54 46.4,134.4
V2_G1 on In2.Cu: 48.42,75.48 50.12,75.48 50.12,72.58 48.42,72.58
V2_G1 on In2.Cu: 48.12,43.58 49.82,43.58 49.82,40.68 48.12,40.68
V3_G2 on Top, Bottom, In2.Cu: 46,134.45 46,117.54 49.35,96.54 49.35,0.04 36.5,0.04 36.5,96.54 28.5,117.7 28.5,134.5
V3_G2 on In2.Cu: 35.22,75.41 36.92,75.41 36.92,72.51 35.22,72.51
V3_G2 on In2.Cu: 34.82,43.41 36.52,43.41 36.52,40.51 34.82,40.51
Net-(D3-K) on Top: 4.56,121.57 4.56,132.8 0.62,132.82 0.62,121.57
Net-(JP1-A) on Top: 8.9,128.32 5.15,128.32 5.15,121.57 8.9,121.57

## Text on the board
F.Silkscreen: rev1.2 | GND | +5V
